# KiCad board FrontEnd_5G.kicad_pcb (continued)
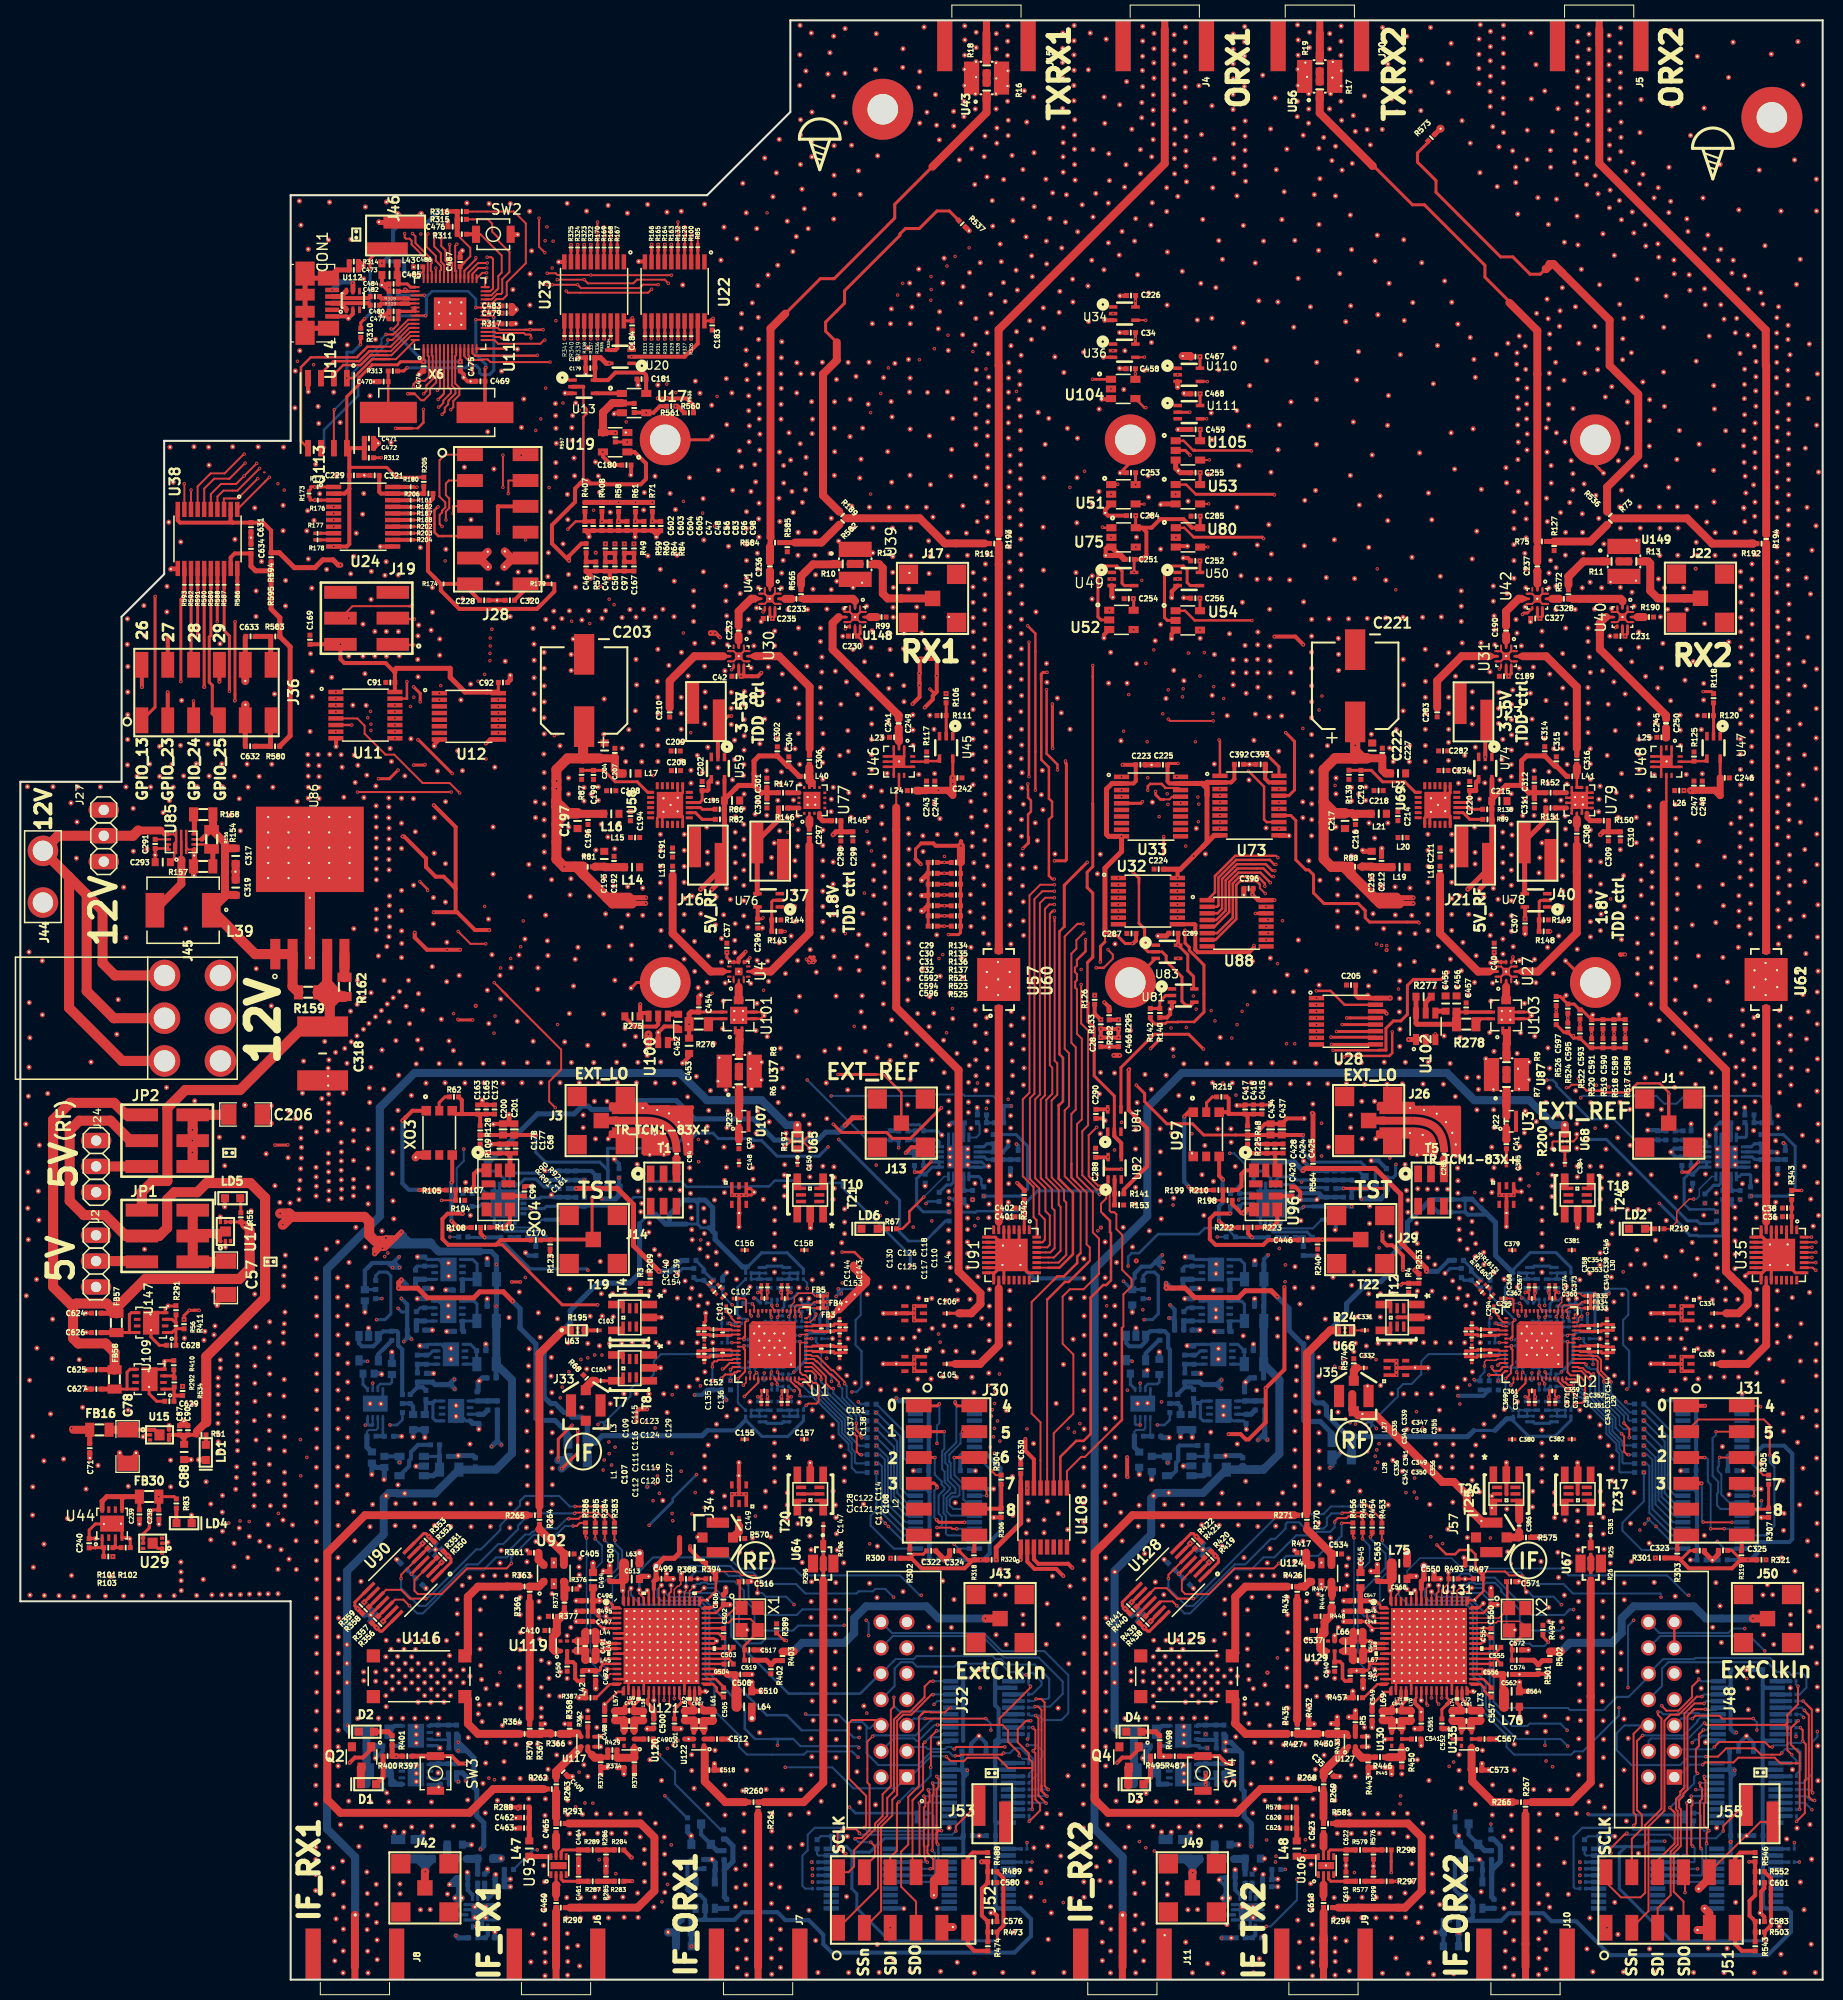
[diagram p0: board, top side]
## Footprints (pads in the part's own frame, mm; a bottom-side part is the same pattern mirrored in y, then rotated) (continued)
TQL9063
  rect 0.67x0.3 smd: 1(-0.885,0.75) 2(-0.885,0.25) 3(-0.885,-0.25) 4(-0.885,-0.75) 5(0.885,-0.75) 6(0.885,-0.25) 7(0.885,0.25) 8(0.885,0.75)
  rect 0.7x1.6 smd: 9(0,0)
TSM-102-04-T-SV
  rect 1.2x4 smd: 1(-1.27,0.8) 2(1.27,-0.8)
TSM-103-04-F-DV
  rect 3.2x1.27 smd: 1(-2.575,2.575) 2(2.575,2.575) 3(-2.575,0) 4(2.575,0) 5(-2.575,-2.54) 6(2.575,-2.54)
TSS-53LNB3+
  rect 0.51x0.25 smd: 1(-1.355,0.51) 2(-1.355,0) 3(-1.355,-0.51) 7(1.355,-0.51) 8(1.355,0) 9(1.355,0.51)
  rect 0.25x0.51 smd: 4(-0.51,-1.355) 5(0,-1.355) 6(0.51,-1.355) 10(0.51,1.355) 11(0,1.355) 12(-0.51,1.355)
  rect 1.25x1.25 smd: 13(0,0)
U-DFN3030-8
  rect 0.3x0.65 smd: 1(0.975,1.375) 2(0.325,1.375) 3(-0.325,1.375) 4(-0.975,1.375) 5(-0.975,-1.375) 6(-0.325,-1.375) 7(0.325,-1.375) 8(0.975,-1.375)
  rect 2.35x1.6 smd: 9(0,0)
U-DFN3030-8#2
  rect 0.65x0.3 smd: 1(-1.375,0.975) 2(-1.375,0.325) 3(-1.375,-0.325) 4(-1.375,-0.975) 5(1.375,-0.975) 6(1.375,-0.325) 7(1.375,0.325) 8(1.375,0.975)
  rect 1.6x2.35 smd: 9(0,0)
UMC_SMD
  rect 1x1 smd: 1(0,-1.5) 3(0,1.5)
  rect 1x2.2 smd: 2(1.45,0) 4(-1.45,0)
USB-MINI-B
  rect 0.45x1.38 smd: 1(-1.3,2.66) 2(-0.65,2.66) 3(0,2.66) 4(0.65,2.66) 5(1.3,2.66)
  rect 2.375x1.9 smd: 6(-2.91,0) 6(2.91,0)
  rect 1.475x2.1 smd: 6(-2.462,2.3) 6(2.462,2.3)
  rect 1.175x1.9 smd: 6(-0.84,0) 6(0.84,0)
VIA_600_400
  round 0.5 hole 0.2: (0,0)
VIA_600_400#3
  round 0.7 hole 0.4: (0,0)
VIA_600_400#4
  round 0.6 hole 0.3: (0,0)
W25Q128JVSIM
  rect 1.6x0.55 smd: 1(-3.44,1.905) 2(-3.44,0.635) 3(-3.44,-0.635) 4(-3.44,-1.905) 5(3.44,-1.905) 6(3.44,-0.635) 7(3.44,0.635) 8(3.44,1.905)
XDL15-2-020S
  rect 1.3x1.3 smd: 1(-4.5,2) 2(-4.5,-2) 3(4.5,-2) 4(4.5,2)

## Nets
+1.8V: C223.1 C287.2 C288.2 C289.2 C290.2 C296.2 C307.2 R534.2 U33.2 U33.10 U76.5 U78.5 U81.5 U82.5 U83.5 U84.5
+1.8V_#1: FB7.1 FB11.2 FB12.2 R53.2 R98.2
+1.8V_#2: FB37.1 FB41.2 FB42.2 R404.2 R533.2
+1.8V_PLL_#1: C86.1 FB1.1 FB2.1 FB8.2 FB13.2 R39.1 R40.1
+1.8V_PLL_#2: C617.1 FB31.1 FB32.1 FB38.2 FB43.2 R568.1 R569.1
+1.8V_SC1905_#1: C492.1 C494.2 C495.1 C496.2 C500.1 C506.2 L42.1 L63.1 L64.1 R47.2 R398.2 Ref**#110. Ref**#290. Ref**#297. Ref**#302. Ref**#303. Ref**#307. Ref**#340. U121.1 U121.4 U121.11 U121.12 U121.22 U121.47
+1.8V_SC1905_#2: C543.1 C545.2 C546.1 C547.2 C551.1 C560.2 L65.1 L75.1 L76.1 R348.2 R499.2 Ref**#310. Ref**#331. Ref**#339. Ref**#346. Ref**#347. Ref**#352. Ref**#413. Ref**#1263. Ref**#1264. Ref**#2830. U131.1 U131.4 U131.11 U131.12 U131.22 U131.47
+1.25V_PLL_#1: FB3.1 FB4.1 FB5.1 FB6.1 FB9.2 FB10.2 FB14.2 FB15.2 R50.2
+1.25V_PLL_#2: FB33.1 FB34.1 FB35.1 FB36.1 FB39.2 FB40.2 FB44.2 FB45.2 R571.2
+1.33V_#1: R52.2 R93.2
+1.33V_#2: R409.2 R532.2
+3.3V_#1: R1.2 R54.2 R425.2 R428.2
+3.3V_#2: R130.2 R365.2 R412.2 R556.2
+3.3V_CLKGEN_#1: C66.1 C159.2 FB29.1 R201.1 U16.5
+3.3V_CLKGEN_#2: C432.1 C614.1 FB52.1 R224.2 U145.5
+3.3V_SC1905_#1: C397.2 C398.2 C406.2 C407.2 C408.2 C497.1 C498.1 C499.2 C501.1 C520.1 C521.2 C522.1 C523.2 C525.1 C575.1 C579.1 IC1.1 IC1.4 R46.2 R379.1 R388.2 R394.2 R397.2 R400.2 R401.2 Ref**#106. Ref**#107. Ref**#273. Ref**#278. Ref**#279. Ref**#2873. Ref**#2874. U90.4 U118.2 U121.5 U121.17 U121.23 U121.28 U121.58 U123.2 U123.10 U132.2 U132.10 U134.2 U134.10
+3.3V_SC1905_#2: C527.2 C528.2 C529.2 C530.2 C533.2 C548.1 C549.1 C550.2 C552.1 C565.1 C566.2 C569.1 C570.2 C584.1 C585.1 C586.1 IC2.1 IC2.4 R347.2 R436.1 R487.2 R493.2 R495.2 R497.2 R498.2 Ref**#325. Ref**#342. Ref**#350. Ref**#411. Ref**#525. Ref**#843. Ref**#1265. Ref**#1266. Ref**#2821. Ref**#2829. U126.2 U128.4 U131.5 U131.17 U131.23 U131.28 U131.58 U136.2 U136.10 U137.2 U137.10 U138.2 U138.10
+3V_RF: C242.2 C243.1 C244.1 C246.2 C247.1 C248.1 L24.1 L26.1 R103.2 U45.5 U47.5
+5V: C43.1 C44.1 C51.1 C52.1 C53.1 C63.1 C185.1 C186.1 C393.1 C447.1 C448.1 C449.1 C609.1 C624.1 C625.1 FB17.1 FB18.1 FB19.1 FB20.1 FB21.1 FB23.1 FB24.1 FB46.1 FB53.1 FB54.1 FB55.1 FB56.1 FB57.1 FB58.1 JP2.1 R55.1 R342.1 R343.1 Ref**#1284. Ref**#1285. Ref**#1286. Ref**#1287. Ref**#1288. Ref**#1289. Ref**#1324. Ref**#1325. Ref**#1326. Ref**#1633. Ref**#1634. U14.4 U14.5 U73.19
+5V_DCDC: C318.1 JP1.1 R159.1 R162.2 U86.4
+5V_PWR: C57.1 JP1.2 JP1.4 JP1.6 U14.1
+5V_RF: C195.1 C196.1 C197.1 C203.1 C204.1 C207.1 C215.1 C216.1 C217.1 C221.1 C222.1 C227.1 C238.1 C298.2 C299.2 C300.1 C301.2 C302.2 C304.2 C309.2 C310.2 C311.1 C312.2 C314.2 C315.2 FB30.1 J16.2 J21.2 L16.1 L17.1 L21.1 L22.1 L40.1 L41.1 R81.2 R82.2 R83.1 R86.2 R88.2 R89.2 R138.2 R145.1 R147.2 R150.1 R152.2 R288.1 R578.1 U29.4 U29.5 U59.5 U74.5 U100.1 U102.1
+5V_USB: C87.1 C88.1 C90.1 JP1.3 JP2.3 R51.1 U15.4 U15.5
+12V: C293.2 J27.2 J44.1 J45.1 J45.2 J45.3 U85.1 U85.8
/Clocks/VDD_CKBUF: C174.2 C175.1 C176.1 C439.1 C441.1 C442.1 R116.1 R235.1 U21.9 U99.9
/Clocks/VDDO_CKBUF: C164.1 C166.2 C168.1 C443.1 C444.1 C445.1 R115.1 R236.1 U21.4 U21.14 U99.4 U99.14
/LMS8001_RF/VDDTX_#1: FB25.1 FB26.1 FB27.1 FB28.1 R93.1 R98.1
/LMS8001_RF/VDDTX_#2: FB48.1 FB49.1 FB50.1 FB51.1 R532.1 R533.1
/LMS98001_GPIO/VDD_CON_J30: C322.1 C324.1 C388.1 C389.1 R300.1 R302.2 R318.2 R320.1 U25.19 U70.19
/LMS98001_GPIO/VDD_CON_J31: C323.1 C325.1 C390.1 C391.1 R301.1 R303.2 R319.2 R321.1 U71.19 U72.19
/RP2040_MCU/VDD_CON_J28: R174.2 R179.1 R206.1
/RP2040_MCU/VDD_CON_J36: R580.2 R583.1 R595.1
/SC1905_1/VDD_CON_J52: C576.1 C580.1 C581.1 R473.1 R474.2 R488.1 R489.1 U134.19
/SC1905_2/VDD_CON_J52: C583.1 C587.1 C601.1 R503.1 R543.2 R546.1 R552.1 U136.19
